# KiCad board ddr4-datacenter-tester.kicad_pcb (continued)
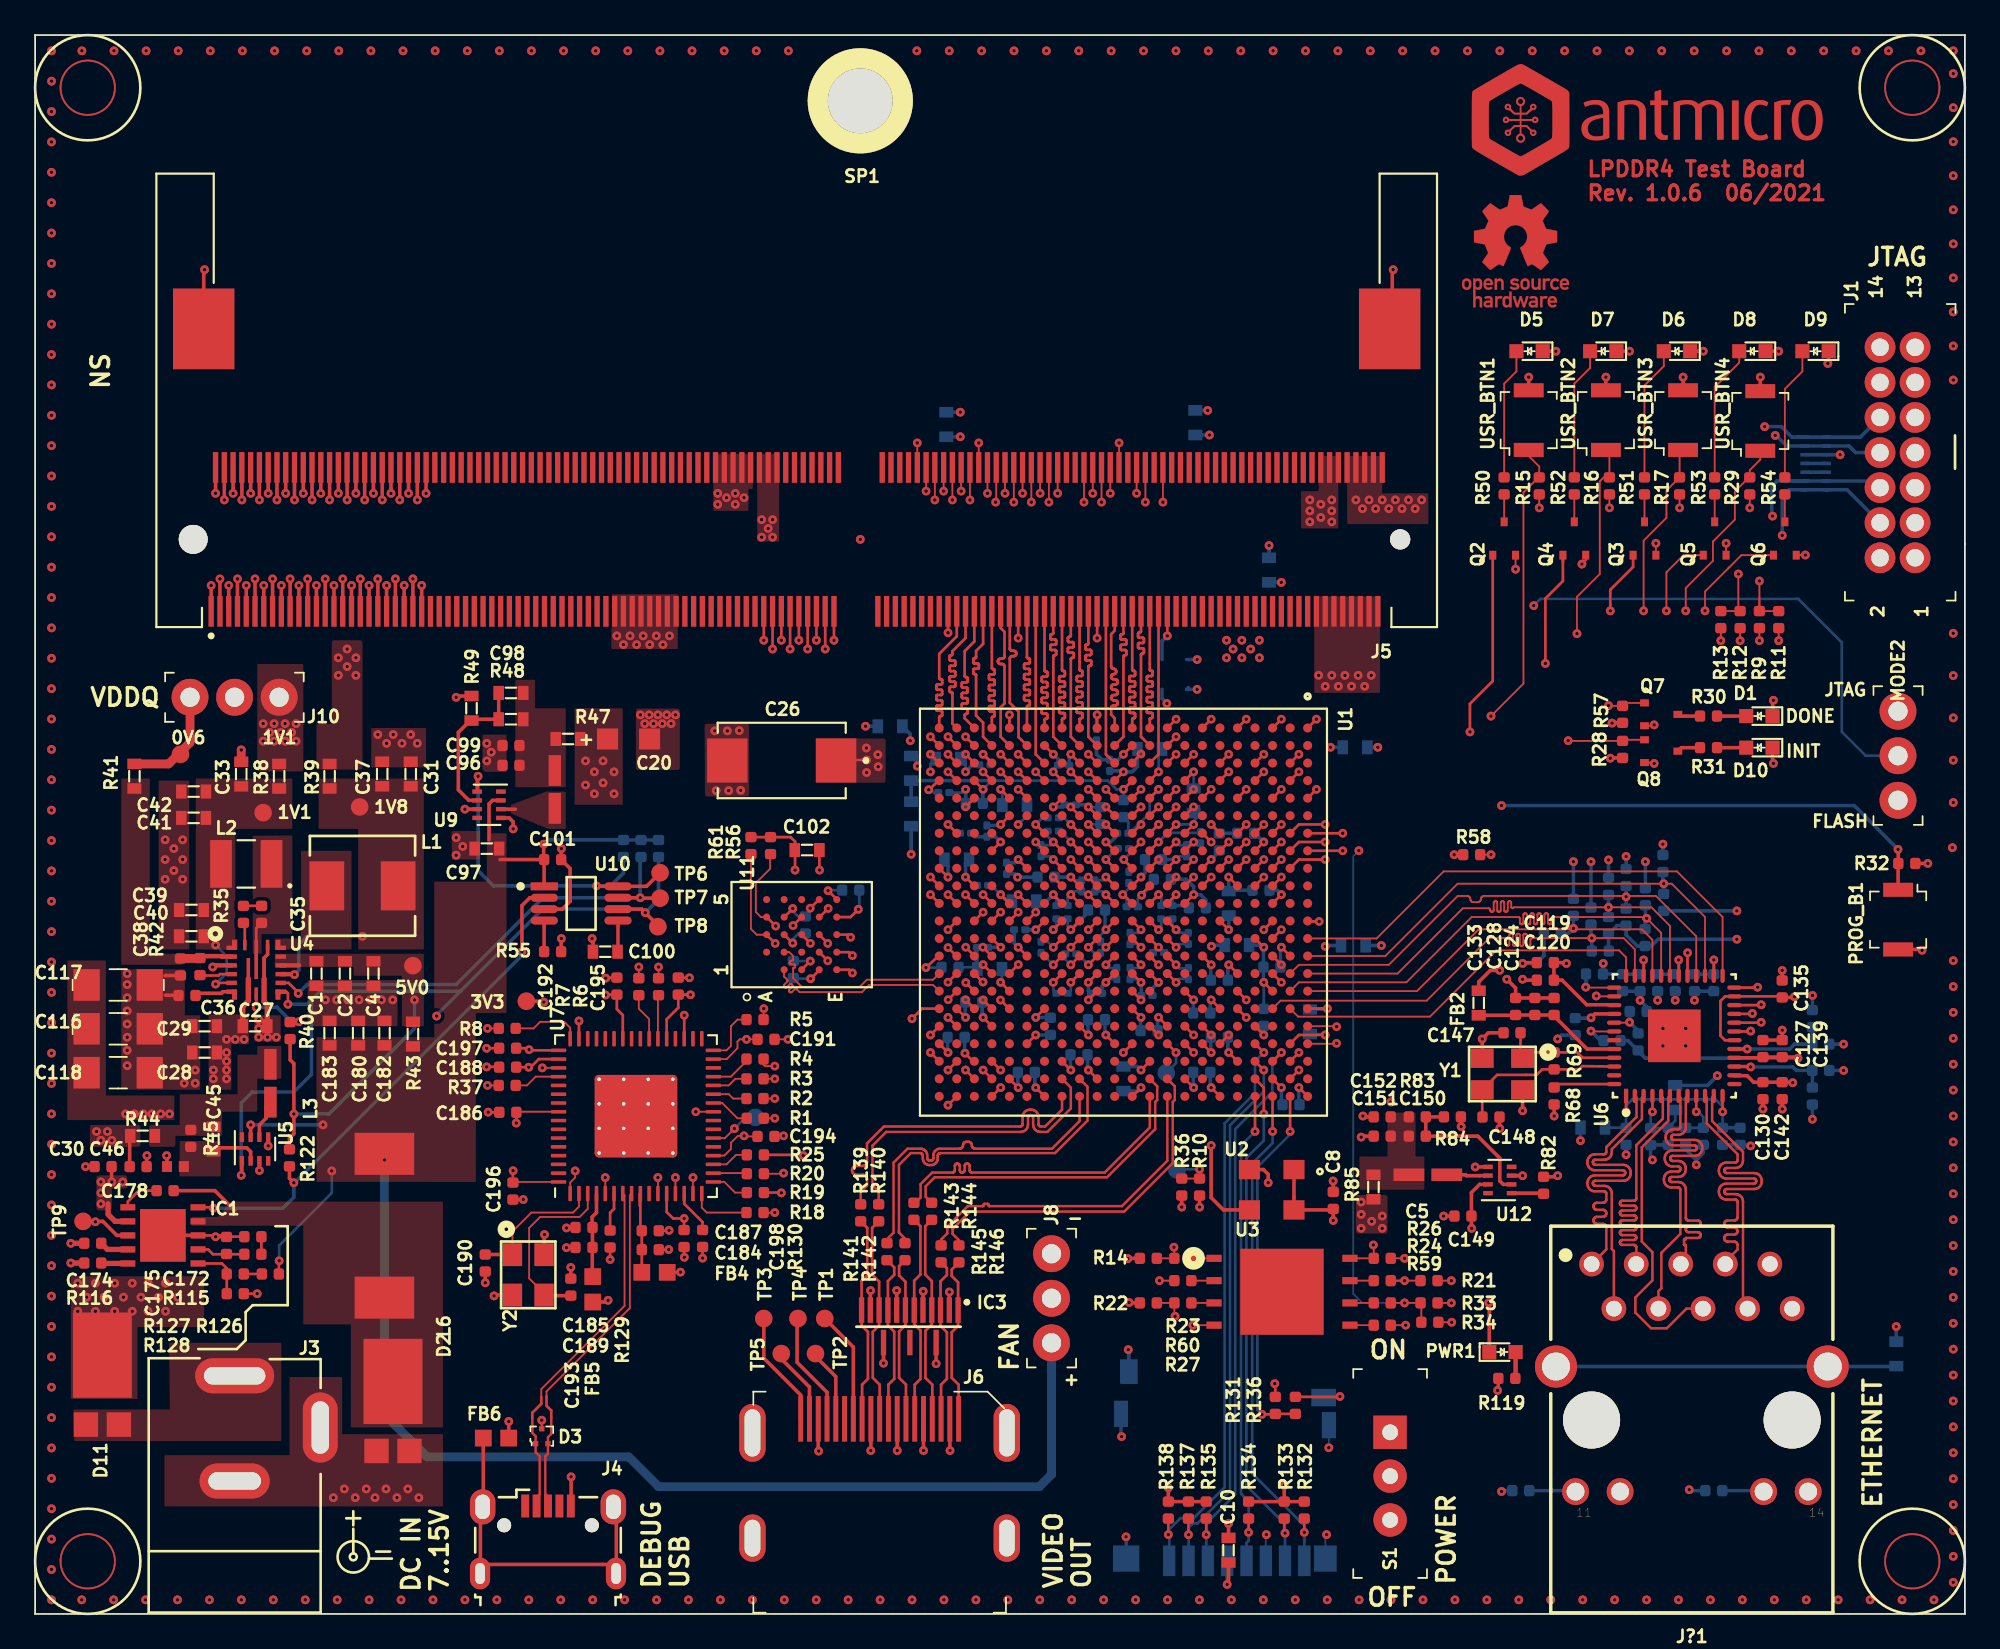
[diagram p0: board, top side]
## Routing (per net, layer and track width the routed paths; a pad name or vN(x,y) marks a point on that pad's centre or on a via; arc(x,y) is an arc through that point) (continued)
  Bottom w0.1: 73.75,10.76 73.75,9.48 v3(73.74,9.47) ; v3(73.61,4.52) 73.55,4.45 J7.~ ; v3(70.19,4.52) 70.15,4.48 J7.6
  Bottom w0.15: C103.2 45.23,41.26 v3(45.2,41.23) ; 66.54,43.93 66.43,43.82 65.22,43.82 v3(65.04,44) ; v3(61.04,36) 61.22,36.18 C66.2 ; C62.2 64.36,37.68 v3(65.04,37) 65.24,36.8 65.74,36.8 ; v3(73.54,33) 73.49,33.05 C6.2 ; C12.2 v3(66.04,48) ; C143.2 54.51,41.53 v3(55.04,41) ; C70.2 59.04,35.56 v3(59.04,36) ; C9.2 58.86,40.82 v3(59.04,41) 59.22,41.18 C51.2 ; 62.34,44.45 63.54,45.65 U1.K5 v3(64.04,47) ; v3(54.03,36.02) 53.71,36.34 C18.2 ; 60.72,38.32 C52.2 60.74,38.7 v3(61.04,39) ; C48.2 64.83,39.21 v3(65.04,39) 65.22,38.82 C59.2 ; v3(60.04,37) 59.41,37.63 C69.2 ; 58.21,39.63 58.21,39.18 v3(58.04,39) ; v3(61.04,43) 61.67,43.63 C65.2 ; 60.84,45.99 60.05,45.99 v3(60.04,46) ; v3(58.04,37) 57.36,37.68 C50.2 ; v3(63.04,39) 62.86,38.82 C54.2 ; C64.2 62.86,36.82 v3(63.04,37) ; C47.2 57.86,43.82 v3(58.04,44) 57.72,44.32 57.72,44.7 ; v3(44.18,37.21) 43.25,37.21 ; 52.99,48.75 53.04,48.7 v3(53.04,48) ; C115.2 62.32,45.13 C67.2 ; C91.2 53.66,36.86 ; 57.72,45.48 57.51,45.48 v3(57.04,45) ; C55.2 60.86,41.18 v3(61.04,41) ; v3(53.04,47) 52.85,46.82 C21.2 ; v3(67.04,45) 67.04,44.87 ; C58.2 64.19,40.85 v3(64.04,41) ; 70.04,35 C82.2 v3(70.04,36) ; C56.2 62.22,40.78 v3(61.99,41) 62.34,41.35 C63.2 ; C105.2 43.52,38.79 43.19,38.46 v3(43.19,38.24) ; v3(56.04,45) 56.54,45.5 56.54,46
  Bottom w0.2: R93.2 89.69,37.8 R89.2 90.17,39.23 R90.2 90.69,38.71 91.33,38.07 R77.2 92.13,38.07 92.52,38.46 v3(97,38.46) ; 64,34.04 v3(64.04,34) 63.99,33.95 C86.2 ; v3(86.79,32.78) 87.01,32.99 C136.2 ; v3(56.04,38) 55.81,38.23 C74.2 ; 66.74,40.38 66.74,40.69 66.43,41 v3(66.04,41) 66.04,41.46 65.62,41.88 C16.2 ; v3(70.04,36) 70.01,36.02 C81.2 70.01,37.98 v3(70.04,38) 69.91,38.12 C25.2 ; R92.2 86,37.52 85.56,37.08 v3(84.79,37.08) ; 50.24,48.9 50.24,48.38 v3(50.29,48.33) ; v3(59.04,49) 58.94,48.91 C32.2 ; 62.35,13.81 62.35,15.03 v3(62.31,15.06) ; 51.64,43 51.66,43 52.04,42.63 v3(52.04,42) ; C77.2 60.82,35.79 v3(61.04,36) ; v3(56.04,30) 56.01,30.02 C93.2 ; v3(60.04,46) 59.91,46.12 C72.2 ; C75.2 53.68,36.78 C18.2 ; v3(66.04,30) 66.01,30.02 C94.2 ; R94.2 91.86,34.6 v3(91.49,34.98) C131.2 C123.2 ; v3(63.04,42) 63.26,42.23 C17.2 ; v3(67.04,45) 67.5,44.54 C78.2 67.51,44.5 C79.2 ; J7.~ 61.9,10.14 v3(61.93,10.11) ; C129.2 92.1,26.74 C121.2 92.09,25.98 v3(92.19,25.88) ; v3(94.59,34.98) C126.2 C141.2 ; C111.2 v3(70.34,60.9) ; C85.2 67.99,32.05 v3(68.04,32) ; C71.2 53.55,44.31 C44.2 54.73,44.31 v3(55.04,44) ; v3(72.04,30) 72.04,29.03 ; R96.2 101.31,35.25 v3(101.31,35.25) ; v3(94.69,25.6) 94.69,25.6 94.69,25.88 ; C76.2 60.5,49 60.81,48.69 C34.2 61.73,48.69 v3(62.04,49) ; D4.5 D4.10 v3(102.89,66.08) ; 64.24,54.4 64.24,55.45 v3(64.54,55.75) ; C114.2 53.05,46.99 v3(53.04,47) ; C15.2 62.84,29.8 v3(63.04,30) ; v3(52.04,32) 52.01,32.02 C92.2 ; C19.2 v3(56,42) 55.82,42.18 C73.2 ; 94.69,25.88 94.09,26.48 C134.2 ; 94.69,25.88 95.09,26.28 C125.2 ; C106.2 v3(66.84,68.6) ; v3(53.04,48) 53.44,48.4 C43.2 ; C88.2 57.86,34 v3(57.04,34) ; C108.2 v3(52.74,68.5) ; v3(97.79,26.68) 97.73,26.74 C140.2 C137.2 ; C22.2 55.41,40.62 v3(55.04,41) ; C84.2 66.99,34.95 v3(67.04,35) ; C90.2 53.99,34.05 v3(54.04,34) ; v3(67.04,37) 67.01,36.98 C83.2 ; C87.2 60.99,33.05 v3(61.04,33) ; C138.2 v3(93.49,34.98) ; C132.2 v3(90.69,26.18) ; v3(68.04,42) C3.2 68.08,41.25 C80.2 ; v3(61.04,39) 60.99,39.05 C7.2 ; C89.2 59.01,31.02 v3(59.04,31) ; R91.2 v3(97,40.07) ; C122.2 v3(92.49,34.98) ; v3(66.24,52.7) 65.64,52.7 65.74,52.8 ; v3(64.04,36) 63.69,35.66 C68.2 ; v3(62.18,4.39) 62.2,4.38 J7.~ ; FB7.2 v3(106.09,16.38) ; R95.2 v3(101.31,28.2) ; C110.2 v3(76.54,49.4) ; C109.2 v3(47.34,50.6) ; C113.2 v3(76.74,38.1)
  vias: v3(0.94,89.1) v3(0.94,87.37) v3(0.94,85.64) v3(0.94,83.91) v3(0.94,82.18) v3(0.94,80.45) v3(0.94,78.71) v3(0.94,76.98) v3(0.94,75.25) v3(0.94,73.52) v3(0.94,71.79) v3(0.94,70.06) v3(0.94,68.33) v3(0.94,66.6) v3(0.94,64.86) v3(0.94,63.13) v3(0.94,61.4) v3(0.94,59.67) v3(0.94,57.94) v3(0.94,56.21) v3(0.94,54.48) v3(0.94,52.74) v3(0.94,51.01) v3(0.94,49.28) v3(0.94,47.55) v3(0.94,45.82) v3(0.94,44.09) v3(0.94,42.36) v3(0.94,40.62) v3(0.94,38.89) v3(0.94,37.16) v3(0.94,35.43) v3(0.94,33.7) v3(0.94,31.97) v3(0.94,30.24) v3(0.94,28.5) v3(0.94,26.77) v3(0.94,25.04) v3(0.94,23.31) v3(0.94,21.58) v3(0.94,19.85) v3(0.94,18.12) v3(0.94,16.39) v3(0.94,14.65) v3(0.94,12.92) v3(0.94,11.19) v3(0.94,9.46) v3(0.94,7.73) v3(0.94,6) v3(0.94,4.27) v3(0.94,2.53) v3(0.94,0.8) v3(2.67,89.1) v3(2.66,0.8) v3(4.5,89.1) v3(4.48,0.8) v3(5.25,36.5) v3(5.25,35.88) v3(5.25,35.12) v3(5.25,34.38) v3(5.25,33.62) v3(5.25,32.88) v3(5.25,32.12) v3(5.25,31.25) v3(6.33,89.1) v3(6.3,0.8) v3(7.41,44.13) v3(7.41,43) v3(7.41,41.88) v3(7.91,43.63) v3(7.91,42.38) v3(8.12,0.8) v3(8.16,89.1) v3(8.41,44.13) v3(8.41,43) v3(8.41,41.88) v3(8.5,30.25) v3(9.12,31) v3(9.12,30.25) v3(9.94,0.8) v3(9.99,89.1) v3(10.12,36.88) v3(11.82,89.1) v3(11.76,0.8) v3(12.75,33.88) v3(12.75,33.38) v3(12.75,32.88) v3(13.25,32.88) v3(13.65,89.1) v3(13.58,0.8) v3(13.75,32.88) v3(15.4,0.8) v3(15.48,89.1) v3(16.55,35) v3(17,6.62) v3(17.19,35) v3(17.22,0.8) v3(17.31,89.1) v3(17.62,7.12) v3(17.83,35) v3(18.25,6.62) v3(18.47,35) v3(18.88,7.12) v3(19.04,0.8) v3(19.14,89.1) v3(19.11,35) v3(19.38,6.62) v3(19.54,50.13) v3(19.74,35) v3(20.04,49.63) v3(20,7.12) v3(20.41,50.13) v3(20.38,35) v3(20.62,6.62) v3(20.91,49.63) v3(20.86,0.8) v3(20.97,89.1) v3(21.25,7.12) v3(21.41,50.13) v3(21.79,49.63) v3(21.88,6.62) v3(22.68,0.8) v3(22.8,89.1) v3(24,44.25) v3(24,43.25) v3(24.38,43.75) v3(24.5,0.8) v3(24.63,89.1) v3(25.74,31.18) v3(25.75,49.62) v3(25.75,48.62) v3(26,49.12) v3(26.32,0.8) v3(26.46,89.1) v3(28.14,0.8) v3(28.29,89.1) v3(29.96,0.8) v3(30.12,89.1) v3(31.78,0.8) v3(31.95,89.1) v3(33.6,0.8) v3(33.79,89.1) v3(34.5,51.25) v3(34.75,50.75) v3(35,51.25) v3(35.25,50.75) v3(35.42,0.8) v3(35.5,51.25) v3(35.62,89.1) v3(35.75,50.75) v3(36,51.25) v3(36.25,50.75) v3(36.5,51.25) v3(37.24,0.8) v3(37.45,89.1) v3(38.75,50.34) v3(38.82,46.93) v3(39.06,0.8) v3(39.28,89.1) v3(39.46,50.34) v3(39.53,46.93) v3(40.14,50.35) v3(40.22,46.95) v3(40.88,0.8) v3(41.11,89.1) v3(42.7,0.8) v3(42.94,89.1) v3(44.52,0.8) v3(46.34,0.8) v3(47.04,61.25) v3(48.17,0.8) v3(49.99,0.8) v3(50.26,89.1) v3(51.81,0.8) v3(52.11,89.1) v3(53.63,0.8) v3(53.95,89.1) v3(55.45,0.8) v3(55.8,89.1) v3(57.27,0.8) v3(57.64,89.1) v3(59.09,0.8) v3(59.49,89.1) v3(60.91,0.8) v3(61.34,89.1) v3(62.73,0.8) v3(63.18,89.1) v3(64.55,0.8) v3(65.03,89.1) v3(66.37,0.8) v3(66.88,89.1) v3(68.19,0.8) v3(68.72,89.1) v3(70.01,0.8) v3(70.57,89.1) v3(71.83,0.8) v3(72.41,89.1) v3(73.65,0.8) v3(74.26,89.1) v3(75.47,0.8) v3(76.11,89.1) v3(77.29,0.8) v3(77.41,76.63) v3(77.95,89.1) v3(79.11,0.8) v3(79.8,89.1) v3(80.93,0.8) v3(81.64,89.1) v3(82.75,0.8) v3(83.49,89.1) v3(84.57,0.8) v3(85.34,89.1) v3(86.39,0.8) v3(87.18,89.1) v3(88.21,0.8) v3(89.03,89.1) v3(90.03,0.8) v3(90.87,89.1) v3(91.85,0.8) v3(92.72,89.1) v3(92.79,33.38) v3(92.79,32.38) v3(93.67,0.8) v3(94.09,33.38) v3(94.09,32.38) v3(94.57,89.1) v3(95.49,0.8) v3(96.41,89.1) v3(97.31,0.8) v3(98.26,89.1) v3(99.13,0.8) v3(100.11,89.1) v3(100.95,0.8) v3(101.95,89.1) v3(102.78,0.8) v3(103.8,89.1) v3(104.6,0.8) v3(105.64,89.1) v3(106.42,0.8) v3(107.49,89.1) v3(108.24,0.8) v3(109.34,89.1) v3(109.34,87.8) v3(109.34,85.86) v3(109.34,83.92) v3(109.34,81.98) v3(109.34,80.04) v3(109.34,78.1) v3(109.34,76.16) v3(109.34,74.22) v3(109.34,72.28) v3(109.34,70.34) v3(109.34,55.9) v3(109.34,53.49) v3(109.34,51.08) v3(109.34,48.67) v3(109.34,46.25) v3(109.29,43.68) v3(109.34,37.24) v3(109.34,35.76) v3(109.34,34.29) v3(109.34,32.81) v3(109.34,31.33) v3(109.34,29.86) v3(109.34,28.38) v3(109.34,26.91) v3(109.34,25.43) v3(109.34,23.95) v3(109.34,22.48) v3(109.34,21) v3(109.34,19.52) v3(109.34,18.05) v3(109.34,16.57) v3(109.34,15.09) v3(109.34,13.62) v3(109.34,12.14) v3(109.34,10.66) v3(109.34,9.19) v3(109.34,7.71) v3(109.34,6.23) v3(109.34,4.76) v3(109.34,3.28) v3(109.34,1.8)
VCC1V2: length 26.7
  Top w0.15: U6.30 v3(93.69,37.28) ; C135.1 99.52,35.2 U6.23 96.33,35.2 96.07,34.94 96.07,32.96 96.32,32.7 U6.18 ; U6.26 v3(95.69,37.28)
  Top w0.2: C135.1 100.25,35.14 v3(100.29,35.18) ; v3(83.48,36.69) 83.47,36.68 82.94,36.68 82.29,36.03 FB2.2 ; v3(87.29,37.08) 87.24,37.13 C119.1 C120.1 87.04,36.13 88.44,34.73 89.99,34.73 U6.39 ; v3(100.19,30.28) 100.16,30.31 C142.1 97.96,30.31 97.59,30.68 96.89,30.68 U6.14
  Bottom w0.2: C126.1 C141.1 v3(95.69,37.28) ; C122.1 C138.1 93.69,36.66 v3(93.69,37.28) ; v3(95.89,30.68) 95.33,30.13 FB3.2
  vias: v3(75.59,23.48) v3(75.59,22.78) v3(75.59,21.98) v3(76.19,22.38) v3(76.79,22.68) v3(76.79,21.98)
VCC5V0: length 18.3
  Top w0.2: R122.1 14.5,27.12 14.75,27.38 v3(14.75,28.5) 14.75,31.38 14.54,31.59 R40.2 14.54,32.59 ; 16,37.17 C1.1
  Top w0.25: 15.04,36.97 U4.13
  Bottom w0.2: v3(21.62,35) 21.62,33.38 16.75,28.5 v3(14.75,28.5)
VCC5V0_INT: length 121.4
  Top w0.15: R126.1 13.9,20.11 v3(13.91,20.13)
  Top w0.2: v3(28.99,43.88) 28.99,43.03 C101.1 ; 25.88,44.12 25.88,46.17 26.07,46.38 U9.7 ; v3(81.89,21.98) 81.87,21.99 C149.1 81.87,24.02 82.34,24.48 U12.7 ; C101.1 26.5,43 ; C101.1 29.01,41.48 U10.1 ; U5.7 v3(12.29,27.88)
  In2.Cu w0.5: v3(81.89,21.98) 81.89,16.58 81.12,15.81 58.29,15.81 J8.1
  Bottom w0.15: v3(13.91,20.13) 13.91,21 16.91,24 v3(16.91,25.25)
  Bottom w0.2: v3(12.29,27.88) v3(16.41,27.88) ; R88.1 R87.1 R86.1 33.53,44.13 29.23,44.13 v3(28.99,43.88)
  Bottom w0.5: v3(19.91,25.88) 19.91,11.38 22.34,8.95 33.84,8.95 35.54,7.25 57.24,7.25 57.94,7.95 J8.1
VDD0V6: length 6.3
  Top w0.5: R41.2 7.61,48.45 8.83,49.67 J10.3
VDD1V1: length 3.7
  Top w0.15: v3(10.29,35.9) 10.35,35.97 U4.5
  Bottom w0.15: v3(10.29,35.9) 10.91,36.53 10.91,37.5 v3(10.29,38.13)
VDD1V8: length 6.4
  Top w0.15: v3(14.79,36.44) 14.76,36.47 14.76,36.47
  Top w0.25: U4.12 14.76,36.47
  Bottom w0.2: v3(14.79,36.44) 15.04,36.69 15.04,38.16 15.5,38.63 v3(18.66,38.63)
VDDQ: length 27
  Top w0.15: U1.M4 v3(62.04,48) ; U1.AA7 v3(52.04,45) ; U1.U9 v3(56.04,43) ; U1.R5 v3(58.04,46) ; U1.Y10 v3(53.04,42) ; U1.W3 v3(54.04,49) ; U1.V6 v3(55.04,45) ; U1.T12 v3(57.04,39) ; U1.W13 v3(55.04,38) ; 51.51,47.53 51.01,47.03 ; U1.N1 v3(60.54,51.25) ; U1.T2 v3(58.04,49) ; U1.AB4 51.46,47.5
  Bottom w0.15: C21.1 51.22,46.82 51.01,47.03 ; 62.05,47.99 v3(62.04,48) ; C71.1 U1.AA7 v3(52.04,45) ; C143.1 53.51,41.53 v3(53.04,42) ; 62.64,49.1 R63.2 ; C23.1 51.04,48.45 v3(51.04,48)
  Bottom w0.2: v3(53.04,42) 53.04,42.8 C24.1 ; 56,43.04 v3(56.04,43) 55.85,42.82 C73.1 ; C72.1 58.56,46 v3(58.04,46) ; C32.1 58.31,48.73 v3(58.04,49) ; C34.1 61.98,48.06 v3(62.04,48) 62.54,48 62.84,48.3 R63.2 ; C106.1 v3(66.94,67.2) ; C74.1 56.45,39 v3(57.04,39) ; C109.1 49.89,50.15 v3(49.89,49.78) ; v3(55.04,45) 54.98,44.94 C44.1 ; C75.1 55.03,38 v3(55.04,38) ; C43.1 54.46,48.58 v3(54.04,49) 54,48.97 ; 64.24,52.7 64.24,52.18 v3(64.51,51.9) ; C76.1 60.5,51.22 v3(60.54,51.25) ; C108.1 v3(52.74,67.1) ; R65.1 v3(49.94,43.3)
  vias: v3(41.41,62.38) v3(41.41,61.38) v3(41.79,61.88) v3(42.04,62.38) v3(42.04,61.38) v3(50.94,46.98) v3(72.66,63.5) v3(72.66,62.88) v3(72.66,62.25) v3(73.29,63.25) v3(73.29,62.5) v3(73.91,63.5) v3(73.91,62.88) v3(73.91,62.25)
VIN: length 5.6
  Top w0.2: C30.1 4.36,24.64 v3(4.38,24.62)
  Top w0.3: C27.1 11.84,34.63 12.15,34.95 U4.7 ; 4.16,23.38 4.16,22.78 4.56,22.38 IC1.2
  vias: v3(2.44,18.85) v3(2.44,17.25) v3(2.94,18.05) v3(3.44,18.85) v3(3.44,17.25) v3(3.75,24.62) v3(3.75,24) v3(3.75,23.38) v3(3.94,18.05) v3(4.54,18.85) v3(4.54,17.25) v3(5,24.62) v3(5.04,18.05) v3(5.16,28.5) v3(5.54,18.85) v3(5.54,17.25) v3(5.66,28.5) v3(6.04,18.05) v3(6.16,28.5) v3(6.44,18.85) v3(6.44,17.25) v3(6.66,28.5) v3(7.04,18.05) v3(7.16,28.5) v3(7.44,18.85) v3(7.44,17.25) v3(7.66,28.5) v3(8.14,18.05) v3(10.16,31) v3(10.16,30.5) v3(10.91,32.75) v3(10.91,32) v3(10.91,31.5) v3(10.91,31) v3(10.91,30.5) v3(11.41,32.75) v3(11.91,32.75)
(no net):
  vias: v1(3,87) v1(3,3) v1(107,87) v1(107,3)
/Ethernet/ETH1_N: length 18.4
  Top w0.14: J?1.2 89.99,20.68 89.87,20.8 89.87,23.97 89.86,24.07 89.83,24.16 89.78,24.24 89.71,24.31 89.63,24.36 89.54,24.39 89.44,24.4 88.94,24.4 88.91,24.4 88.88,24.41 88.85,24.43 88.82,24.45 88.81,24.48 88.8,24.51 88.79,24.54 88.8,24.58 88.81,24.61 88.82,24.64 88.85,24.66 88.88,24.68 88.91,24.69 88.94,24.69 90.52,24.69 90.62,24.7 90.71,24.73 90.79,24.78 90.86,24.85 90.91,24.93 90.94,25.02 90.95,25.12 90.95,25.17 90.94,25.27 90.91,25.36 90.86,25.44 90.79,25.51 90.71,25.56 90.62,25.59 90.52,25.6 88.94,25.6 88.91,25.6 88.88,25.61 88.85,25.63 88.82,25.65 88.81,25.68 88.8,25.71 88.79,25.74 88.8,25.78 88.81,25.81 88.82,25.84 88.85,25.86 88.88,25.88 88.91,25.89 88.94,25.89 89.44,25.89 89.54,25.9 89.63,25.93 89.71,25.98 89.78,26.05 89.83,26.13 89.86,26.22 89.87,26.32 89.87,26.49 91.59,28.21 91.59,29.43 U6.3
/Ethernet/ETH1_P: length 18.4
  Top w0.14: J?1.1 89.56,20.78 89.56,22.03 89.56,22.08 89.54,22.12 89.52,22.16 89.49,22.19 89.45,22.22 89.41,22.23 89.36,22.23 89.03,22.23 88.98,22.24 88.94,22.25 88.9,22.28 88.87,22.31 88.85,22.35 88.83,22.39 88.83,22.43 88.83,22.48 88.85,22.52 88.87,22.56 88.9,22.59 88.94,22.62 88.98,22.63 89.03,22.63 89.36,22.63 89.41,22.64 89.45,22.65 89.49,22.68 89.52,22.71 89.54,22.75 89.56,22.79 89.56,22.83 89.56,22.88 89.54,22.92 89.52,22.96 89.49,22.99 89.45,23.02 89.41,23.03 89.36,23.03 89.03,23.03 88.98,23.04 88.94,23.05 88.9,23.08 88.87,23.11 88.85,23.15 88.83,23.19 88.83,23.23 88.83,23.28 88.85,23.32 88.87,23.36 88.9,23.39 88.94,23.42 88.98,23.43 89.03,23.43 89.36,23.43 89.41,23.44 89.45,23.45 89.49,23.48 89.52,23.51 89.54,23.55 89.56,23.59 89.56,23.63 89.56,23.94 89.56,23.98 89.55,24.01 89.53,24.04 89.51,24.06 89.48,24.08 89.45,24.09 89.42,24.09 88.91,24.09 88.82,24.1 88.73,24.13 88.64,24.18 88.58,24.25 88.53,24.33 88.49,24.42 88.48,24.52 88.48,24.57 88.49,24.67 88.53,24.76 88.58,24.84 88.64,24.91 88.73,24.96 88.82,24.99 88.91,25 90.49,25 90.53,25 90.56,25.01 90.58,25.03 90.61,25.05 90.62,25.08 90.64,25.11 90.64,25.14 90.64,25.18 90.62,25.21 90.61,25.24 90.58,25.26 90.56,25.28 90.53,25.29 90.49,25.29 88.91,25.29 88.82,25.3 88.73,25.33 88.64,25.38 88.58,25.45 88.53,25.53 88.49,25.62 88.48,25.72 88.48,25.77 88.49,25.87 88.53,25.96 88.58,26.04 88.64,26.11 88.73,26.16 88.82,26.19 88.91,26.2 89.42,26.2 89.45,26.2 89.48,26.21 89.51,26.23 89.53,26.25 89.55,26.28 89.56,26.31 89.56,26.34 89.56,26.61 91.28,28.33 91.28,29.43 U6.2
/Ethernet/ETH2_N: length 18.4
  Top w0.14: J?1.6 94.13,17.4 93.01,16.28 92.12,16.28 91.22,17.18 91.22,18.04 92.19,19.01 92.19,20.62 91.58,21.22 91.58,26.6 93.09,28.11 93.09,29.43 U6.6
/Ethernet/ETH2_P: length 18.4
  Top w0.14: U6.5 92.78,29.43 92.78,28.23 91.27,26.72 91.27,23.69 91.27,23.66 91.26,23.63 91.24,23.61 91.22,23.59 91.19,23.57 91.16,23.56 91.13,23.55 90.48,23.55 90.44,23.55 90.41,23.54 90.39,23.52 90.37,23.5 90.35,23.48 90.34,23.45 90.34,23.41 90.34,23.38 90.35,23.35 90.37,23.33 90.39,23.31 90.41,23.29 90.44,23.28 90.48,23.27 91.13,23.27 91.16,23.27 91.19,23.26 91.22,23.24 91.24,23.22 91.26,23.2 91.27,23.17 91.27,23.13 91.27,23.1 91.26,23.07 91.24,23.05 91.22,23.03 91.19,23.01 91.16,23 91.13,22.99 90.48,22.99 90.44,22.99 90.41,22.98 90.39,22.96 90.37,22.94 90.35,22.92 90.34,22.89 90.34,22.85 90.34,22.82 90.35,22.79 90.37,22.77 90.39,22.75 90.41,22.73 90.44,22.72 90.48,22.71 91.13,22.71 91.16,22.71 91.19,22.7 91.22,22.68 91.24,22.66 91.26,22.64 91.27,22.61 91.27,22.57 91.27,22.54 91.26,22.51 91.24,22.49 91.22,22.47 91.19,22.45 91.16,22.44 91.13,22.43 90.48,22.43 90.44,22.43 90.41,22.42 90.39,22.4 90.37,22.38 90.35,22.36 90.34,22.33 90.34,22.29 90.34,22.26 90.35,22.23 90.37,22.21 90.39,22.19 90.41,22.17 90.44,22.16 90.48,22.15 91.13,22.15 91.16,22.15 91.19,22.14 91.22,22.12 91.24,22.1 91.26,22.08 91.27,22.05 91.27,22.01 91.27,21.98 91.26,21.95 91.24,21.93 91.22,21.91 91.19,21.89 91.16,21.88 91.13,21.87 90.48,21.87 90.44,21.87 90.41,21.86 90.39,21.84 90.37,21.82 90.35,21.8 90.34,21.77 90.34,21.73 90.34,21.7 90.35,21.67 90.37,21.65 90.39,21.63 90.41,21.61 90.44,21.6 90.48,21.59 91.13,21.59 91.16,21.59 91.19,21.58 91.22,21.56 91.24,21.54 91.26,21.52 91.27,21.49 91.27,21.45 91.27,21.42 91.26,21.39 91.24,21.37 91.22,21.35 91.19,21.33 91.16,21.32 91.13,21.31 90.48,21.31 90.44,21.31 90.41,21.3 90.39,21.28 90.37,21.26 90.35,21.24 90.34,21.21 90.34,21.17 90.34,21.14 90.35,21.11 90.37,21.09 90.39,21.07 90.41,21.05 90.44,21.04 90.48,21.03 91.13,21.03 91.16,21.03 91.19,21.02 91.22,21 91.24,20.98 91.26,20.96 91.27,20.93 91.27,20.89 91.27,19.95 J?1.3
/Ethernet/ETH3_N: length 18.5
  Top w0.14: J?1.5 94.09,20.23 94.09,20.97 94.09,20.99 94.09,21 94.08,21.01 94.07,21.01 94.06,21.02 94.05,21.02 94.03,21.03 94.02,21.03 94.01,21.04 94,21.04 94,21.05 93.99,21.06 93.99,21.07 93.99,21.3 93.99,21.32 94,21.33 94,21.34 94.01,21.34 94.02,21.35 94.03,21.35 94.04,21.35 94.09,21.35 94.09,21.43 94.78,21.43 94.81,21.43 94.85,21.45 94.88,21.47 94.91,21.49 94.92,21.52 94.94,21.56 94.94,21.59 94.94,21.63 94.92,21.67 94.91,21.7 94.88,21.72 94.85,21.74 94.81,21.76 94.78,21.76 94.26,21.76 94.22,21.76 94.18,21.78 94.15,21.8 94.13,21.82 94.11,21.85 94.1,21.89 94.09,21.92 94.1,21.96 94.11,22 94.13,22.03 94.15,22.05 94.18,22.07 94.22,22.09 94.26,22.09 94.78,22.09 94.81,22.09 94.85,22.11 94.88,22.13 94.91,22.15 94.92,22.18 94.94,22.22 94.94,22.25 94.94,22.29 94.92,22.33 94.91,22.36 94.88,22.38 94.85,22.4 94.81,22.42 94.78,22.42 94.26,22.42 94.22,22.42 94.18,22.44 94.15,22.46 94.13,22.48 94.11,22.51 94.1,22.55 94.09,22.58 94.09,24.19 94.08,24.29 94.05,24.38 94,24.46 93.93,24.53 93.85,24.58 93.76,24.61 93.66,24.62 93.3,24.62 93.27,24.62 93.23,24.63 93.21,24.65 93.18,24.67 93.17,24.7 93.16,24.73 93.15,24.76 93.16,24.8 93.17,24.83 93.18,24.86 93.21,24.88 93.23,24.9 93.27,24.91 93.3,24.91 93.66,24.91 93.76,24.92 93.85,24.95 93.93,25 94,25.07 94.05,25.15 94.08,25.24 94.09,25.34 94.09,25.39 94.08,25.49 94.05,25.58 94,25.66 93.93,25.73 93.85,25.78 93.76,25.81 93.66,25.82 93.35,25.82 93.32,25.82 93.28,25.83 93.26,25.85 93.23,25.87 93.22,25.9 93.21,25.93 93.2,25.96 93.21,26 93.22,26.03 93.23,26.06 93.26,26.08 93.28,26.1 93.32,26.11 93.35,26.11 94.6,26.11 94.7,26.12 94.79,26.15 94.87,26.2 94.94,26.27 94.99,26.35 95.02,26.44 95.03,26.54 95.03,26.59 95.02,26.69 94.99,26.78 94.94,26.86 94.87,26.93 94.79,26.98 94.7,27.01 94.6,27.02 93.4,27.02 93.37,27.02 93.33,27.03 93.31,27.05 93.28,27.07 93.27,27.1 93.26,27.13 93.25,27.16 93.26,27.2 93.27,27.23 93.28,27.26 93.31,27.28 93.33,27.3 93.37,27.31 93.4,27.31 93.66,27.31 93.76,27.32 93.85,27.35 93.93,27.4 94,27.47 94.05,27.55 94.08,27.64 94.09,27.74 94.09,29.43 U6.8
/Ethernet/ETH3_P: length 18.4
  Top w0.14: U6.7 93.78,29.43 93.78,27.76 93.78,27.73 93.77,27.7 93.75,27.67 93.73,27.65 93.7,27.63 93.67,27.62 93.64,27.62 93.37,27.62 93.28,27.61 93.19,27.58 93.1,27.53 93.04,27.46 92.99,27.38 92.95,27.29 92.94,27.19 92.94,27.14 92.95,27.04 92.99,26.95 93.04,26.87 93.1,26.8 93.19,26.75 93.28,26.72 93.37,26.71 94.57,26.71 94.61,26.71 94.64,26.7 94.67,26.68 94.69,26.66 94.71,26.63 94.72,26.6 94.72,26.56 94.72,26.53 94.71,26.5 94.69,26.47 94.67,26.45 94.64,26.43 94.61,26.42 94.57,26.42 93.32,26.42 93.23,26.41 93.14,26.38 93.05,26.33 92.99,26.26 92.94,26.18 92.9,26.09 92.89,25.99 92.89,25.94 92.9,25.84 92.94,25.75 92.99,25.67 93.05,25.6 93.14,25.55 93.23,25.52 93.32,25.51 93.64,25.51 93.67,25.51 93.7,25.5 93.73,25.48 93.75,25.46 93.77,25.43 93.78,25.4 93.78,25.36 93.78,25.33 93.77,25.3 93.75,25.27 93.73,25.25 93.7,25.23 93.67,25.22 93.64,25.22 93.27,25.22 93.18,25.21 93.09,25.18 93,25.13 92.94,25.06 92.89,24.98 92.85,24.89 92.84,24.79 92.84,24.74 92.85,24.64 92.89,24.55 92.94,24.47 93,24.4 93.09,24.35 93.18,24.32 93.27,24.31 93.64,24.31 93.67,24.31 93.7,24.3 93.73,24.28 93.75,24.26 93.77,24.23 93.78,24.2 93.78,24.16 93.78,21.66 92.7,20.58 92.7,18.56 92.53,18.4 J?1.4
/Ethernet/ETH4_N: length 18.4
  Top w0.14: J?1.8 97.35,17.66 97.35,23.5 97.34,23.6 97.31,23.69 97.26,23.77 97.19,23.84 97.11,23.89 97.02,23.92 96.92,23.93 96.43,23.93 96.4,23.93 96.37,23.94 96.34,23.96 96.32,23.98 96.3,24.01 96.29,24.04 96.29,24.07 96.29,24.11 96.3,24.14 96.32,24.17 96.34,24.19 96.37,24.21 96.4,24.22 96.43,24.22 97.99,24.22 98.08,24.23 98.17,24.26 98.26,24.31 98.32,24.38 98.37,24.46 98.41,24.55 98.42,24.65 98.42,24.7 98.41,24.8 98.37,24.89 98.32,24.97 98.26,25.04 98.17,25.09 98.08,25.12 97.99,25.13 96.43,25.13 96.4,25.13 96.37,25.14 96.34,25.16 96.32,25.18 96.3,25.21 96.29,25.24 96.29,25.27 96.29,25.31 96.3,25.34 96.32,25.37 96.34,25.39 96.37,25.41 96.4,25.42 96.43,25.42 96.92,25.42 97.02,25.43 97.11,25.46 97.19,25.51 97.26,25.58 97.31,25.66 97.34,25.75 97.35,25.85 97.35,26.33 95.59,28.09 95.59,29.43 U6.11
/Ethernet/ETH4_P: length 18.4
  Top w0.14: J?1.7 96.34,20.07 97.04,20.77 97.04,21.02 97.04,21.07 97.02,21.11 97,21.15 96.97,21.18 96.93,21.21 96.89,21.22 96.84,21.22 96.48,21.22 96.43,21.23 96.39,21.24 96.35,21.27 96.32,21.3 96.3,21.34 96.28,21.38 96.28,21.42 96.28,21.47 96.3,21.51 96.32,21.55 96.35,21.58 96.39,21.61 96.43,21.62 96.48,21.62 96.84,21.62 96.89,21.63 96.93,21.64 96.97,21.67 97,21.7 97.02,21.74 97.04,21.78 97.04,21.82 97.04,21.87 97.02,21.91 97,21.95 96.97,21.98 96.93,22.01 96.89,22.02 96.84,22.02 96.48,22.02 96.43,22.03 96.39,22.04 96.35,22.07 96.32,22.1 96.3,22.14 96.28,22.18 96.28,22.22 96.28,22.27 96.3,22.31 96.32,22.35 96.35,22.38 96.39,22.41 96.43,22.42 96.48,22.42 96.84,22.42 96.89,22.43 96.93,22.44 96.97,22.47 97,22.5 97.02,22.54 97.04,22.58 97.04,22.62 97.04,23.47 97.04,23.51 97.03,23.54 97.01,23.57 96.99,23.59 96.96,23.61 96.93,23.62 96.9,23.62 96.4,23.62 96.31,23.63 96.22,23.66 96.14,23.71 96.07,23.78 96.02,23.86 95.99,23.95 95.98,24.05 95.98,24.1 95.99,24.2 96.02,24.29 96.07,24.37 96.14,24.44 96.22,24.49 96.31,24.52 96.4,24.53 97.96,24.53 97.99,24.53 98.02,24.54 98.05,24.56 98.08,24.58 98.09,24.61 98.1,24.64 98.11,24.67 98.1,24.71 98.09,24.74 98.08,24.77 98.05,24.79 98.02,24.81 97.99,24.82 97.96,24.82 96.4,24.82 96.31,24.83 96.22,24.86 96.14,24.91 96.07,24.98 96.02,25.06 95.99,25.15 95.98,25.25 95.98,25.3 95.99,25.4 96.02,25.49 96.07,25.57 96.14,25.64 96.22,25.69 96.31,25.72 96.4,25.73 96.9,25.73 96.93,25.73 96.96,25.74 96.99,25.76 97.01,25.78 97.03,25.81 97.04,25.84 97.04,25.87 97.04,26.2 95.28,27.96 95.28,29.43 U6.10
/Supply/SYS_EN: length 85
  Top w0.2: 3.46,22.38 3.86,22.38 4.66,21.58 IC1.3 ; 3.46,22.38 v3(3.44,22.35) ; 3.46,22.38 TP9.1
  In2.Cu w0.2: S1.2 73.94,7.85 71.84,9.95 62.51,9.95 59.71,7.15 40.34,7.15 25.14,22.35 v3(3.44,22.35)
AUX_JTAG_RST: length 11.1
  Top w0.1: R5.2 41.52,34.49 v4(41.54,34.5)
  Top w0.15: v3(49.98,33.93) 50.56,34.5 U1.AB17
  In2.Cu w0.15: v4(41.54,34.5) 42.11,33.93 v3(49.98,33.93)
AUX_JTAG_TCK: length 14.9
  Top w0.1: 41.52,28.25 v4(42.16,28.25)
  Top w0.15: U1.W22 v3(55.04,30)
  In2.Cu w0.15: v4(42.16,28.25) 42.54,28.25 43.86,29.58 54.04,29.58 54.46,30 v3(55.04,30)
AUX_JTAG_TDI: length 14.9
  Top w0.1: R2.2 v4(42.16,29.38)
  Top w0.15: U1.W20 v3(55.04,31)
  In2.Cu w0.15: v3(55.04,31) 53.91,29.88 43.66,29.88 43.16,29.38 v4(42.16,29.38)
AUX_JTAG_TDO: length 13.7
  Top w0.1: R3.2 v4(42.16,30.5)
  Top w0.15: U1.W21 v3(54.04,31)
  In2.Cu w0.15: v3(54.04,31) 53.26,30.23 43.69,30.23 43.41,30.5 v4(42.16,30.5)
AUX_JTAG_TMS: length 13.1
  Top w0.1: v4(42.16,31.23) 41.6,31.23 41.52,31.31 R4.2
  Top w0.15: U1.Y21 v3(53.04,31)
  In2.Cu w0.15: v4(42.16,31.23) 42.19,31.25 43.16,31.25 43.89,30.53 52.56,30.53 v3(53.04,31)
C_TMDS_CLK_N: length 11.8
  Top w0.15: J6.12 47.14,13.07 47.47,13.4 47.47,16.08 47.11,16.44 IC3.12 47.11,18.97 47.43,19.29 47.43,22.01 R139.2
C_TMDS_CLK_P: length 11.9
  Top w0.15: R140.2 47.71,22.01 47.71,19.34 48.11,18.94 IC3.10 48.11,16.44 47.75,16.08 47.75,13.46 48.14,13.07 J6.10
C_TMDS_D0_N: length 9.7
  Top w0.15: J6.9 48.64,13.07 48.97,13.4 48.97,16.09 48.61,16.45 IC3.9 48.61,18.97 48.97,19.33 48.97,19.75 R141.2
C_TMDS_D0_P: length 9.6
  Top w0.15: J6.7 49.64,13.07 49.25,13.46 49.25,16.1 49.61,16.46 IC3.7 49.61,18.93 49.25,19.3 49.25,19.83 R142.2
C_TMDS_D1_N: length 11.9
  Top w0.15: R143.2 50.46,22.1 50.46,19.34 50.11,18.99 IC3.6 50.11,16.52 50.47,16.15 50.47,13.4 50.14,13.07 J6.6
C_TMDS_D1_P: length 12
  Top w0.15: R144.2 50.74,22.1 50.74,19.35 51.11,18.97 IC3.4 51.11,16.5 50.75,16.14 50.75,13.46 51.14,13.07 J6.4
C_TMDS_D2_N: length 9.5
  Top w0.15: J6.3 51.64,13.07 51.97,13.4 51.97,16.05 51.61,16.41 IC3.3 51.61,18.96 51.97,19.32 51.97,19.71 R145.2
C_TMDS_D2_P: length 9.5
  Top w0.15: R146.2 52.25,19.63 52.25,19.27 52.61,18.9 IC3.1 52.61,16.42 52.25,16.06 52.25,13.46 52.64,13.07 J6.1
CA2_A: length 19.2
  Top w0.1: J5.162 v4(52.29,63.5)
  Top w0.15: U1.AA4 v4(52.04,48)
  In2.Cu w0.1: v4(52.29,63.5) 52.29,62.38 52.09,62.18 52.09,55.08 52.08,55.06 52.08,55.04 52.06,55.02 52.05,55 52.03,54.99 52.01,54.98 51.99,54.98 51.94,54.98 51.92,54.98 51.9,54.97 51.88,54.96 51.87,54.94 51.85,54.92 51.85,54.9 51.84,54.88 51.85,54.86 51.85,54.84 51.87,54.82 51.88,54.8 51.9,54.79 51.92,54.78 51.94,54.78 52.23,54.78 52.25,54.78 52.27,54.77 52.29,54.76 52.31,54.74 52.32,54.72 52.33,54.7 52.33,54.68 52.33,54.66 52.32,54.64 52.31,54.62 52.29,54.6 52.27,54.59 52.25,54.58 52.23,54.58 52.19,54.58 52.16,54.58 52.14,54.57 52.12,54.56 52.11,54.54 52.1,54.52 52.09,54.5 52.09,54.48 52.09,51.6 52.54,51.15 52.54,48.5 v4(52.04,48)
